# KiCad board 2000ATX.kicad_pcb (continued)
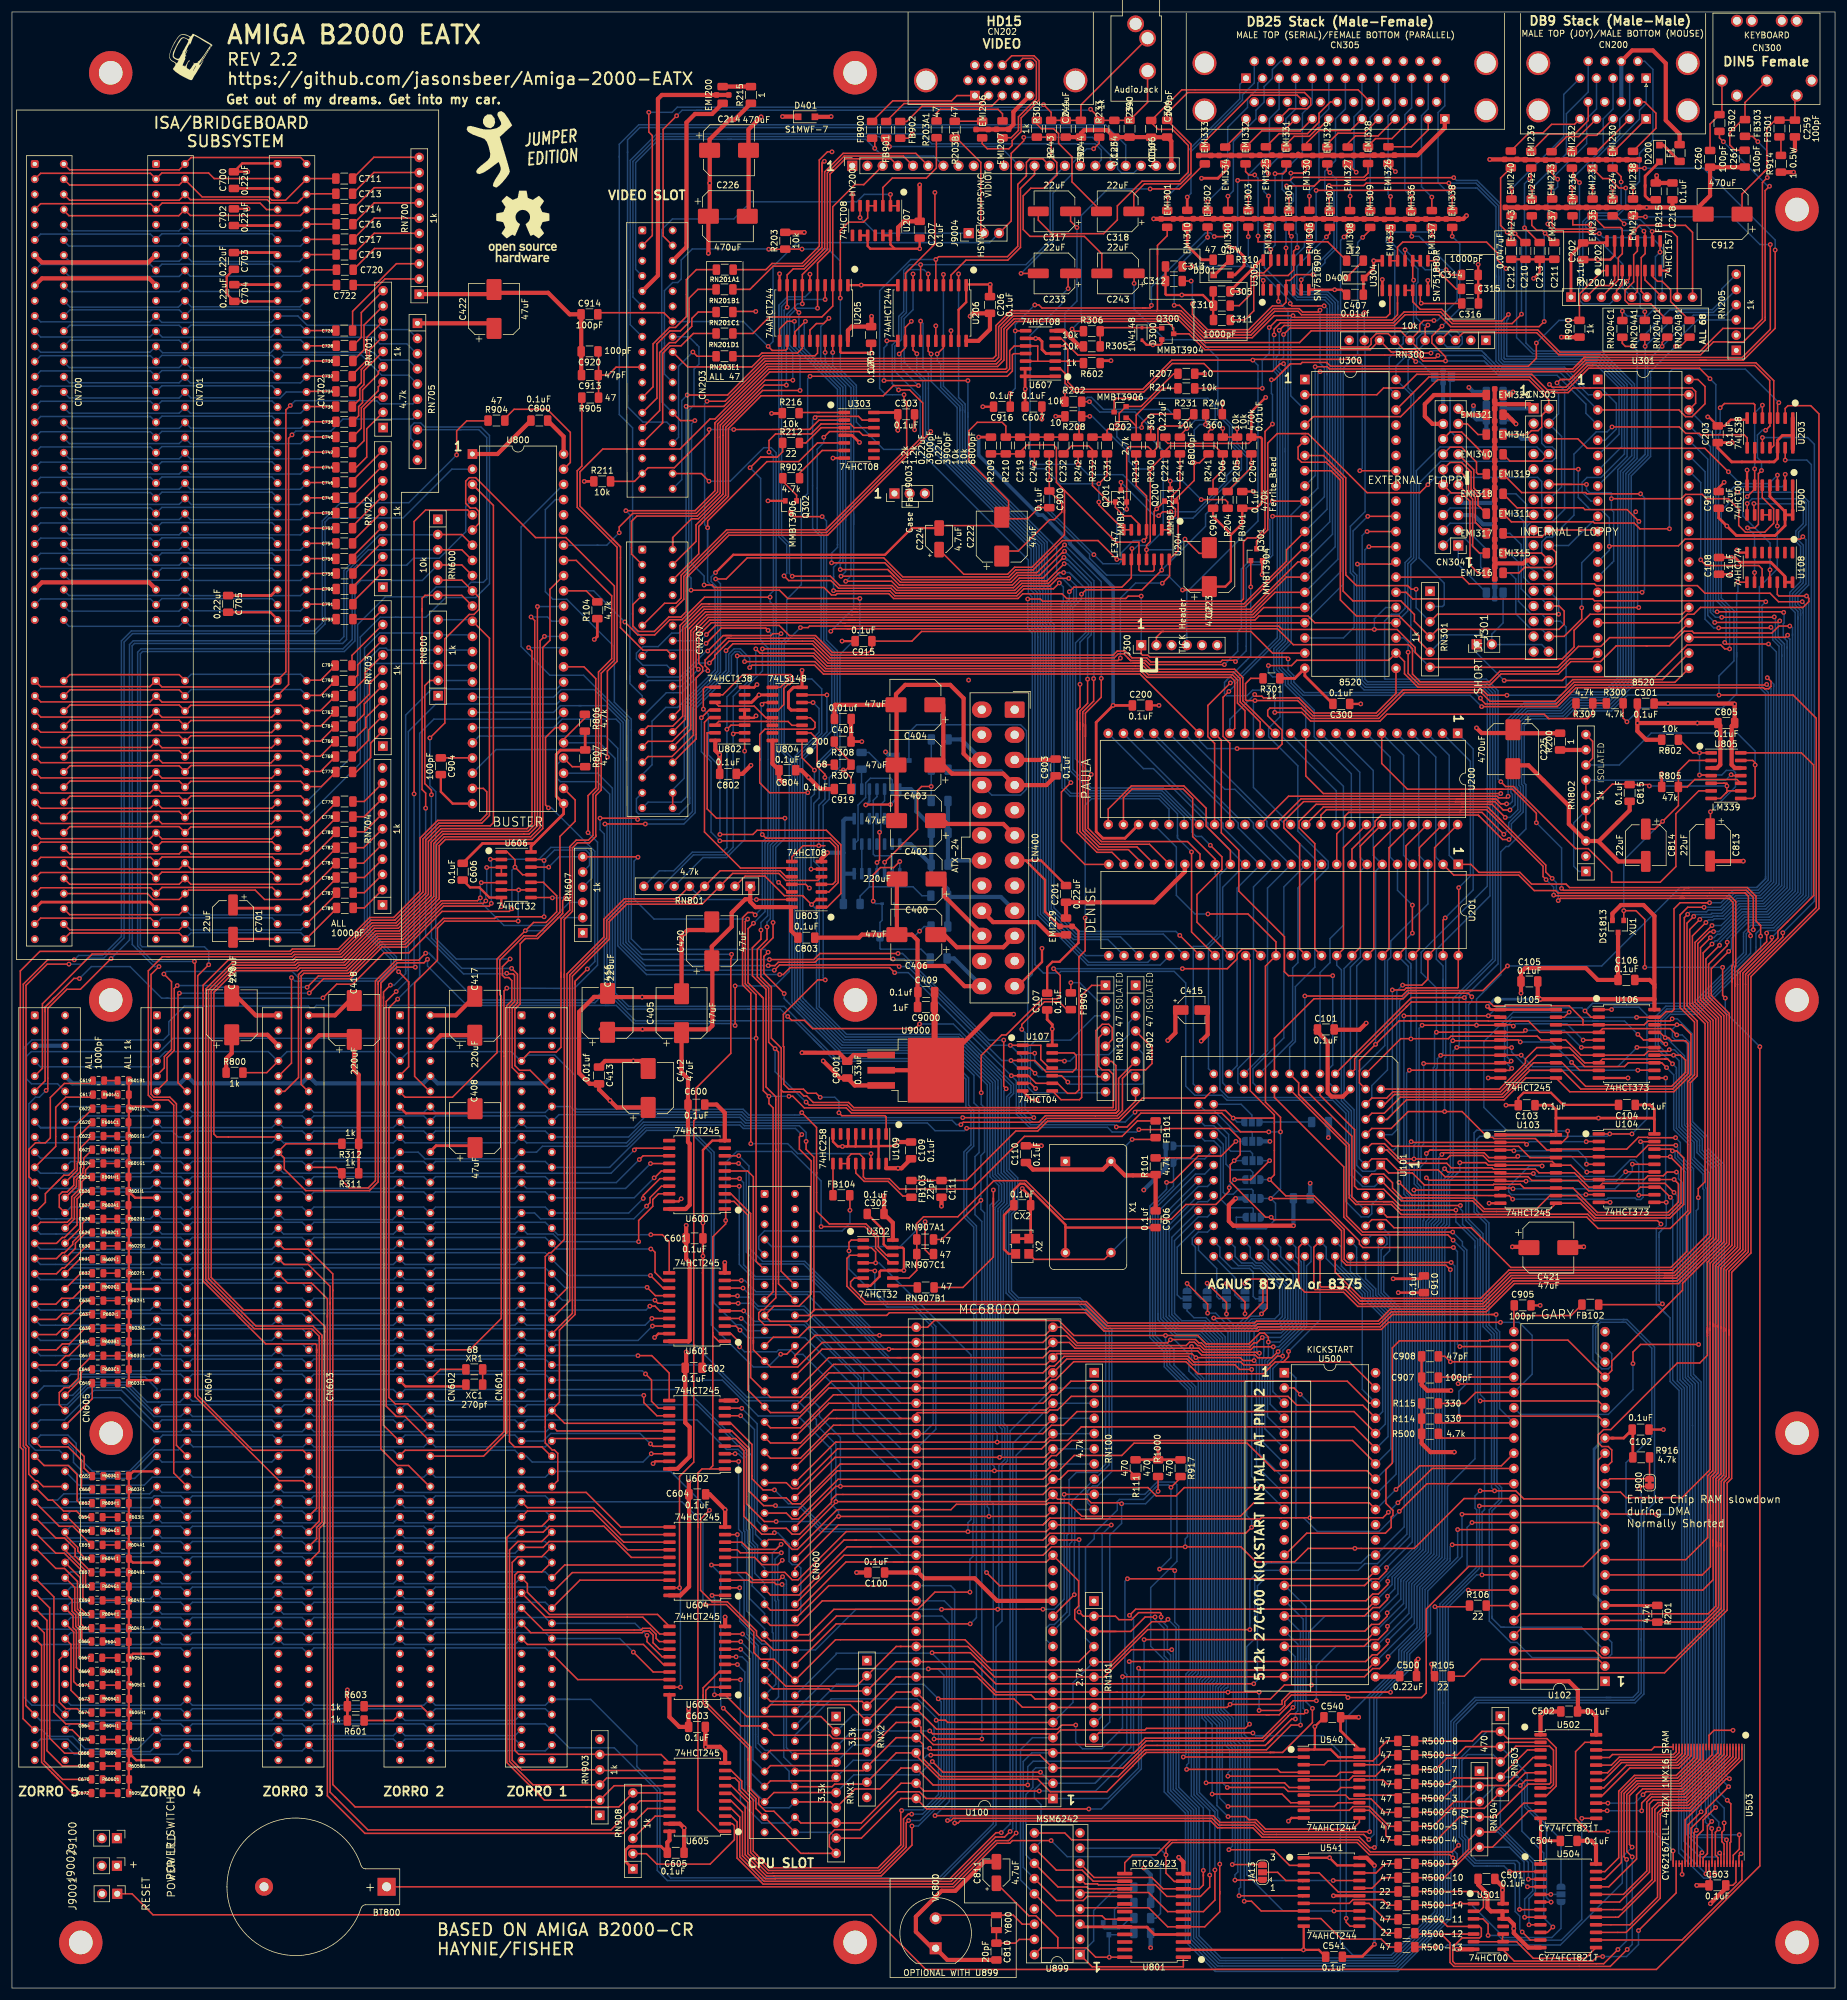
[diagram p0: board, top side]
## Routing (per net, layer and track width the routed paths; a pad name or vN(x,y) marks a point on that pad's centre or on a via; arc(x,y) is an arc through that point) (continued)
_BUDS: length 382
  Top w0.25: U605.12 98.4,36.35 RN903.4 85.21,36.47 83.63,38.05 83.63,71.11 84.59,72.07 88.58,72.07 90.14,73.63 ; 85.56,192.82 72.09,192.82 70.52,191.25 70.52,182.39 64.77,176.64 60.75,176.64 55.48,171.36 47.8,171.36 47.35,170.91 37.01,170.91 ; 85.56,192.82 85.71,192.82 ; 85.56,192.82 86.47,192.82 87.85,194.2 ; 87.85,194.62 v1(87.85,230.84) ; 87.85,194.62 87.85,194.2 ; 87.85,194.62 87.85,194.2 ; 36.98,170.88 37.01,170.91 ; 37.01,170.91 32.86,166.76 32.86,118.5 32.91,118.5 40.78,110.62 50.29,110.62 51.83,109.08 51.83,108.7 ; 51.83,108.7 51.83,77.87 50.93,76.97 50.93,75.06 49.5,73.63 ; 51.83,108.7 51.83,108.95 ; C662.2 12.62,67.12 12.3,67.44 12.3,69.74 8.89,73.15 CN605.72
  Bottom w0.25: 90.14,73.63 89.16,74.61 70.8,74.61 69.82,73.63 68.84,74.61 50.48,74.61 49.5,73.63 48.52,74.61 30.16,74.61 29.18,73.63 28.2,74.61 9.84,74.61 8.86,73.63 ; v1(87.85,230.84) 92.13,230.84 U800.38
_BUSRST: length 495.8
  Top w0.25: R603.2 68.43,47.09 69.82,45.69 ; 133.41,269.32 v1(133.43,269.32) 166.39,269.32 167.26,270.19 167.26,272.9 167.46,273.1 169.38,273.1 ; v1(120.91,167.45) v1(120.91,160.84)
  Bottom w0.25: 99.18,164.19 99.84,164.19 ; 99.18,164.19 101.04,164.19 104.05,161.18 120.35,161.16 120.67,160.84 v1(120.91,160.84) ; 99.18,164.19 50.89,164.19 50.51,163.82 49.82,163.82 49.55,164.08 28.83,164.08 26.23,161.48 26.23,159.32 25.34,158.43 3.34,158.43 1.96,157.06 1.96,48.63 3.34,47.25 7.33,47.25 CN605.94 ; 90.14,45.69 89.16,46.67 70.8,46.67 69.82,45.69 68.84,46.67 50.48,46.67 49.5,45.69 48.52,46.67 30.16,46.67 29.18,45.69 28.2,46.67 9.84,46.67 8.86,45.69 ; v1(120.91,167.45) 127.53,167.45 129.96,169.88 129.96,205.31 128.66,206.61 128.66,224.83 129.54,225.7 129.54,232.05 131.97,234.49 131.97,245.41 131.97,248.66 133.03,249.73 133.03,268.92 v1(133.43,269.32)
_C2: length 5.3
  Top w0.25: C904.1 76.96,205.57 U800.21
_C4: length 15.7
  Top w0.25: R905.1 98.07,273.38 C920.1 ; C913.1 99.67,269.52 101,270.85 CN203.19
_CASL: length 118.2
  Top w0.25: v1(206.15,112.67) 206.15,114.66 v1(203.06,117.74) ; v1(205.16,15.42) U541.6 215.8,15.24
  Bottom w0.25: JA9.3 v1(206.15,112.67) 206.15,112.07 204.64,110.57 204.64,41.48 205.41,40.72 205.41,16.84 205.16,16.59 v1(205.16,15.42) ; JA10.1 v1(203.06,117.74)
_CASU: length 124.3
  Top w0.25: 215.95,12.85 U541.8 208.86,12.88 207.24,14.5 v1(206.02,14.5) ; v1(208.91,112.65) 209.87,113.61 209.87,118.1 209.5,118.47 206.87,118.47 v1(206.15,117.75)
  Bottom w0.25: JA9.1 v1(206.15,117.75) ; v1(206.02,14.5) 206.02,40.87 205.09,41.79 205.09,110.32 207.05,112.27 208.53,112.27 v1(208.91,112.65) 209.15,112.88 JA8.3
_CBG: length 245.5
  Top w0.25: R806.1 95.78,212.2 92.23,208.65 U800.29 ; v1(160.21,60.85) 137.8,60.85 CN600.64
  Bottom w0.25: 161.25,85.61 161.25,85.66 ; 161.25,85.61 161.25,127.35 159.61,128.99 159.61,139.51 160.79,140.7 160.79,146.68 159.94,147.53 159.94,152.08 156.7,155.31 137.83,155.31 129.11,164.03 103.11,164.03 100.83,166.31 100.83,205.48 98.23,208.08 U800.29 ; 161.25,85.61 161.25,61.89 v1(160.21,60.85)
_CBR: length 238.9
  Top w0.25: R807.1 93.68,204.09 U800.28 ; CN600.60 133.18,59.04 134.45,60.31 ; 160.11,66.11 v1(160.16,66.16) 154.31,66.16 151.43,63.28 137.42,63.28 134.45,60.31 ; 134.45,60.31 134.18,60.04
  Bottom w0.25: 135.3,157.2 137.64,154.86 156.49,154.86 159.49,151.87 159.49,147.35 160.34,146.49 160.34,140.88 159.16,139.7 159.16,128.81 160.8,127.17 160.8,77.74 160.67,77.61 160.67,72.15 160.16,71.64 v1(160.16,66.16) ; 135.3,157.2 130.87,161.63 104.24,161.63 99.93,165.93 99.93,199.51 97.86,201.58 91.69,201.58 91.1,202.17 91.1,204.41 U800.28 ; 135.3,157.2 134.01,158.5
_CDAC: length 308.2
  Top w0.25: U201.34 207.03,171.73 207.03,149.93 211.06,145.9 211.06,145.3 ; v1(204.18,145.36) 211,145.36 211.06,145.3 ; v1(204.18,145.36) 204.23,145.36 ; v1(204.18,145.36) 202.9,146.64 188.04,146.64 v1(187.77,146.37) ; v1(147.32,171.96) 134.8,171.96 134.25,171.41 128.12,171.41 127.55,170.84 v1(126.44,170.84) ; v1(241,123.75) 225.85,123.75 225.28,124.32 225.28,124.84 217.74,132.37 212.97,132.37 v1(210.25,135.09) 211.06,135.89 211.06,145.3 ; 173.92,153.72 173.43,153.72 172.01,155.14 172.01,157.53 U107.1 v1(166.93,157.53) ; v1(242.06,107.19) 251.05,107.19 U102.26
  Bottom w0.25: 94.81,214.28 99.38,214.28 102.18,211.48 102.18,174.54 105.88,170.84 v1(126.44,170.84) ; 94.81,214.28 91.69,214.28 90.56,213.16 U800.18 ; 94.81,214.28 95.17,214.28 ; JA1.1 204.82,144.72 v1(204.18,145.36) ; v1(242.06,107.19) 241.66,107.59 241.66,123.08 v1(241,123.75) ; JA4.3 v1(210.25,135.09) ; v1(187.77,146.37) 186.12,144.72 170.49,144.72 168.81,146.39 168.81,155.65 v1(166.93,157.53) 163.58,157.53 149.7,171.41 149.7,171.43 149.17,171.96 v1(147.32,171.96)
_CIPL0: length 145.7
  Top w0.25: v1(122.49,206.69) U802.1 ; 187.42,221.37 189.35,221.37 ; 187.42,221.37 189.35,221.37 ; 187.42,221.37 136.42,221.37 134.02,223.77 v1(125.48,223.77) ; 189.35,221.37 190.36,220.36 204.41,220.36 205.79,218.98 205.79,215.09 U200.13
  Bottom w0.25: v1(125.48,223.77) 125.48,220.09 122.49,217.11 v1(122.49,206.69) 122.49,191.91 119.48,188.9 115.53,188.9 RN801.6
_CIPL1: length 145.4
  Top w0.25: 120.57,209.55 v1(120.59,209.56) 120.78,209.75 U802.2 ; U200.14 208.69,211.56 205.34,214.9 205.34,218.8 204.22,219.91 190.17,219.91 189.17,220.92 187.8,220.92 136.23,220.92 134.1,223.05 125.08,223.05 v1(124.36,223.77)
  Bottom w0.25: 120.57,209.55 120.57,190.63 119.3,189.35 113.94,189.35 108.69,184.1 RN801.7 ; v1(120.59,209.56) 120.59,215.84 124.36,219.61 v1(124.36,223.77)
_CIPL2: length 147.3
  Top w0.25: U200.15 206.15,213.46 204.89,214.71 204.89,218.61 204.04,219.46 189.99,219.46 188.98,220.47 187.4,220.47 136.05,220.47 133.92,222.6 v1(121.26,222.6) ; 122.46,211.02 120.22,211.02 v1(119.53,210.34)
  Bottom w0.25: v1(121.26,222.6) 121.26,217.5 119.53,215.77 v1(119.53,210.34) 119.53,190.56 118.77,189.8 113.75,189.8 110.64,186.69 108.24,186.69 RN801.8
_CLKRD: length 207
  Top w0.25: 240.91,21.75 v1(240.9,21.76) 240.37,22.29 226.93,22.29 224.91,24.31 193.98,24.31 192.94,23.27 v1(192.94,22.25) 192.94,19.2 194.33,17.81 195.35,17.81
  Bottom w0.25: U899.8 191.82,23.37 v1(192.94,22.25) ; 264.77,110.4 264.89,110.52 ; 264.77,110.4 264.77,106.17 U102.22 ; 264.77,110.4 264.89,110.52 ; 264.89,110.52 265.62,111.25 269.19,111.25 ; 266.54,48.55 244.58,48.55 240.58,44.55 240.58,22.82 240.9,22.5 v1(240.9,21.76) ; 266.54,48.55 267.32,48.55 ; 266.54,48.55 270.99,48.55 271.94,49.5 271.94,77.17 269.85,79.26 269.85,87.78 274.17,92.1 274.17,106.92 269.84,111.25 269.19,111.25 ; 269.19,111.25 269.46,111.25
_CLKWR: length 223.4
  Top w0.25: 194.69,24.76 193.8,24.76 191.28,22.24 187.34,22.24 186.05,20.95 U801.13 ; 194.69,24.76 177.17,24.76 176.02,25.91 U899.10 ; 194.69,24.76 225.1,24.76 227.11,22.74 240.76,22.74 v1(241.86,23.85)
  Bottom w0.25: 269.39,111.7 269.65,111.7 ; 269.39,111.7 270.02,111.7 274.62,107.11 274.62,81.12 272.84,79.34 272.84,49.12 271.37,47.65 245,47.65 241.48,44.13 241.48,24.79 241.86,24.41 v1(241.86,23.85) ; 269.39,111.7 265.43,111.7 264.32,110.59 264.32,104.96 265.8,103.47 266.88,103.47 267.47,104.06 267.47,106.01 U102.23
_COPCFG: length 241.7
  Top w0.25: v1(89.74,187.3) U606.12 87.75,187.3 ; RN607.6 104.6,189.03 v1(104.66,188.97) ; v1(123,178.62) 122.6,178.22 122.6,167.81 124.4,166 124.4,121.43 CN600.11
  Bottom w0.25: 104.68,188.99 v1(104.66,188.97) 104,188.31 104,181.98 107.35,178.62 v1(123,178.62) ; v1(124.41,158.7) 26.93,158.7 24.7,156.47 3.22,156.47 2.41,155.67 2.41,151.94 3.26,151.09 7.63,151.09 CN605.12 ; v1(89.74,187.3) 91.47,189.03 RN607.6
_CSYNC: length 241.1
  Top w0.25: U201.32 197.21,176.47 197.21,190 ; v1(131.57,279.97) 130.87,280.67 U205.8 ; v1(137.36,233.5) 137.41,233.45 146.78,233.45 147.59,232.64 168.02,232.64 169.18,233.81 174.12,233.81 v1(175.11,234.8)
  Bottom w0.25: 137.36,235.89 137.36,237.43 138.47,238.54 138.47,267.32 131.57,274.22 v1(131.57,279.97) ; 137.36,235.89 v1(137.36,233.5) ; 137.36,235.89 137.36,234.39 ; 194.86,192.64 194.86,196.22 191.91,199.18 176.89,199.18 175.57,200.51 175.57,231.41 175.78,231.63 175.78,234.12 v1(175.11,234.8) ; 194.86,192.64 194.86,192.34 ; 194.86,192.64 194.86,192.18 v1(197.21,189.84) ; U201.32 201.95,171.73 201.95,150.19 203.34,148.8 221.06,148.8 223.48,146.38 223.48,132.73 U101.80
_CUTOFF: length 49.5
  Top w0.25: v1(210.21,277.47) 211.45,278.71 230.76,278.71 231.65,279.6 231.65,281.58 ; R214.1 v1(209.04,267.31) ; 231.65,281.58 U304.3 ; 231.65,281.58 231.65,280.39
  Bottom w0.25: v1(209.04,267.31) 209.04,271.98 210.21,273.15 v1(210.21,277.47)
_D2P: length 336.7
  Top w0.25: U604.1 v1(117.04,65.61) ; v1(117.45,49) U603.1 122.87,45.36 135.26,45.36 RNX1.2 ; v1(154.17,41.61) v1(162.15,41.61) ; v1(126.42,173.09) 125.72,172.38 125.72,169.56 v1(129.11,166.17)
  Bottom w0.25: v1(117.45,49) 117.45,65.2 v1(117.04,65.61) ; U800.45 90.86,248.72 89.18,247.04 89.18,233.32 90.44,232.06 92.77,232.06 100.71,224.12 100.71,214.86 103.55,212.03 103.55,210.25 ; 129.6,164.85 129.11,165.34 v1(129.11,166.17) ; 129.6,164.85 131.63,162.82 ; 129.6,164.85 129.41,165.04 ; 131.63,162.82 131.2,163.25 ; 131.63,162.82 138.24,156.21 157.14,156.21 160.84,152.51 160.84,147.9 161.69,147.05 161.69,139.61 161.01,138.93 161.01,129.24 162.15,128.09 v1(162.15,41.61) ; 103.55,210.25 103.55,175.32 105.31,173.56 125.95,173.56 v1(126.42,173.09) ; 103.55,210.25 103.55,210.11 ; v1(154.17,41.61) 154.17,43.67 152.16,45.68 140.65,45.68 RNX1.2 ; 162.15,52.58 162.15,52.32
_DBOE: length 237.8
  Top w0.25: U603.19 v1(111.76,50.27) ; U604.19 v1(111.61,66.88) 111.61,85.49 113.99,87.87 113.99,144.91 114.37,145.29 114.37,150.37 120.18,156.18 120.18,172.02 120.3,172.14 v1(120.3,172.74)
  Bottom w0.25: v1(111.76,50.27) 111.76,66.73 v1(111.61,66.88) ; U800.46 85.12,244.14 85.12,224.17 89.93,219.36 95.58,219.36 103.1,211.84 103.1,174.9 105.26,172.74 v1(120.3,172.74)
_DBR: length 164.6
  Top w0.25: 234.79,166.68 233.31,166.68 232.39,165.76 v1(216.15,165.76) ; 234.79,166.68 233.89,166.68 ; 234.79,166.68 243.78,166.68 ; 243.78,166.68 245.93,166.68 v1(250.04,170.79) ; 243.78,166.68 244.16,166.68 ; v1(295.15,244.3) 295.15,246.14 U900.12
  Bottom w0.25: 287.78,183.9 291.74,183.9 293.19,185.34 293.19,185.7 ; 287.78,183.9 278.89,183.9 265.79,170.79 v1(250.04,170.79) ; 287.78,183.9 287.65,183.9 ; 292.16,224.53 292.16,217.33 293.19,216.3 293.19,185.7 ; 292.16,224.53 292.16,224.69 ; 292.16,224.53 292.16,234.14 295.15,237.13 v1(295.15,244.3) ; 293.19,185.7 293.19,185.39 291.74,183.94 ; U101.20 v1(216.15,165.76)
_DKRD: length 116.6
  Top w0.25: v1(249.94,216.03) 246.76,216.03 245.87,216.92 232.59,216.92 228.28,212.61 217.49,212.61 214.96,215.14 v1(207.82,215.14) 206.38,215.14 206.24,215.27 206.24,217.98 207.11,218.85 R301.2
  Bottom w0.25: v1(207.82,215.14) 207.56,214.88 207.56,200.62 U200.37 ; EMI323.1 250.35,239.78 251.87,238.25 251.87,231.72 254.03,229.57 255.76,229.57 CN303.30 258.88,228.4 259.84,227.43 259.84,216.86 259.01,216.03 v1(249.94,216.03)
_DKWD: length 211.6
  Top w0.25: 279.64,182.08 278.8,182.08 ; 279.64,182.08 258.89,182.08 v1(258.52,181.71) ; 279.64,182.08 287.06,182.08 287.75,181.39 287.75,170.97 287.58,170.8 287.58,168.1 ; 284.36,110.58 284.36,86.46 283.51,85.6 283.51,75.26 279.83,71.58 U102.9 ; 284.36,110.58 284.36,120.91 287.56,124.11 287.58,168.1 ; 284.36,110.58 284.36,111.1 ; U200.38 219.25,197.35 242.46,197.35 ; 242.46,197.35 246.72,197.35 248.48,195.59 ; 242.46,197.35 242.6,197.35 ; 248.48,195.59 256.43,187.64 256.43,186.49 v1(257.51,185.42) ; 248.48,195.59 249.31,194.77 ; 287.58,168.1 287.58,168.66
  Bottom w0.25: v1(258.52,181.71) 258.52,183.23 258.21,183.54 258.21,184.72 v1(257.51,185.42)
_DTACK: length 424.8
  Top w0.25: v1(237.91,63.72) 243.49,63.72 R106.1 ; 124.03,57.26 124.03,59.49 119.44,64.08 v1(115.93,64.08) ; 124.03,57.26 124.03,56.9 ; 124.03,57.26 124.03,56.07 125.16,54.94 127.39,54.94 CN600.66 137.69,58.2 159.34,58.2 163.01,54.53 U100.10 178.38,54.53 RN101.4 ; v1(193.77,83.66) 195.38,85.27 R917.2 ; v1(194.41,69.75) 194.16,70 v1(191.87,70)
  Bottom w0.25: 237.85,63.78 v1(237.91,63.72) 238.3,63.33 238.3,12.56 230.77,5.04 212.33,5.04 202.14,5.04 198.46,8.71 198.46,30.14 195.08,33.52 195.08,60.45 194.41,61.11 v1(194.41,69.75) ; CN605.66 10.77,81.25 11.42,81.91 23.44,81.91 23.76,82.23 28.2,82.23 29.18,81.25 30.16,82.23 48.52,82.23 49.5,81.25 50.48,82.23 68.84,82.23 69.82,81.25 70.8,82.23 89.16,82.23 90.14,81.25 112.01,81.25 115.53,77.74 115.53,64.48 v1(115.93,64.08) ; 191.13,83.59 189.19,81.65 185.17,81.65 184.8,81.27 184.8,79.87 180.95,76.02 180.95,75.08 179.48,73.62 179.48,58.46 RN101.4 ; 191.13,83.59 191.36,83.82 ; 191.13,83.59 191.6,84.06 193.37,84.06 v1(193.77,83.66) 193.77,71.9 v1(191.87,70)
_EBG1: length 238.1
  Top w0.25: 8.86,83.79 5.24,83.79 4.26,84.77 3.89,84.77 2.8,85.86 2.8,90.31 2.35,90.76 2.35,167.55 5.89,171.09 v1(9.53,171.09)
  Bottom w0.25: v1(9.53,171.09) 11.65,171.09 12.65,172.09 15.35,172.09 18.75,175.49 18.75,224.92 20.15,226.32 50.73,226.32 52.34,227.93 52.34,244.97 53.03,245.66 65.4,245.66 73.53,253.8 U800.2
_EBG2: length 223.5
  Top w0.25: 78.11,250.13 U800.3 80.49,247.75 80.49,194.72 79.98,194.21 71.55,194.21 69.16,191.82 69.16,182.94 64.21,177.99 60.19,177.99 54.92,172.71 47.25,172.71 46.86,172.33 26.28,172.33 ; 25.89,172.33 26.28,172.33 ; 26.28,172.33 25.14,172.33 22.8,169.99 22.8,149.18 23.57,148.4 26.16,148.4 27.05,147.52 27.05,86.06 CN604.64
_EBG3: length 234.1
  Top w0.25: 30.61,109.18 30.61,98.83 44.66,84.77 48.65,84.77 CN603.64 ; 30.61,109.18 30.61,108.86 ; 30.61,109.18 30.61,171.44
  Bottom w0.25: 65.97,237.75 57.65,237.75 56.88,236.98 56.88,225.32 55.34,223.78 21.57,223.78 21.01,223.22 21.01,174.11 23.58,171.54 v1(30.51,171.54) ; 65.97,237.75 67.14,238.92 71.45,238.92 75.86,243.34 75.86,247.59 U800.4 ; 65.97,237.75 66.27,238.05
_EBG4: length 181.4
  Top w0.25: 69.82,83.79 66.3,87.31 64.45,87.31 61.67,90.1 61.67,167.18 ; v1(67.23,199.54) 67.23,245.06 69.15,246.98 76.19,246.98 U800.5 ; 61.67,167.18 61.67,167.72 ; 61.67,167.18 61.67,167.92 64.33,170.59 v1(67.44,170.59)
  Bottom w0.25: v1(67.23,199.54) 67.23,170.79 v1(67.44,170.59)
_EBG5: length 201.6
  Top w0.25: 92.35,168.88 92.35,169.44 ; 92.35,168.88 92.35,125.06 90.16,122.87 89.8,122.87 89.16,122.24 89.16,91.07 90.32,89.92 90.68,89.92 91.25,89.35 91.25,84.77 CN601.64 ; 92.35,168.88 92.35,178.57 93.71,179.93 93.71,190.54 94.53,191.36 96.55,191.36 97.6,192.41 97.6,192.65 ; 97.6,192.65 97.6,192.45 ; 97.6,192.65 97.6,199.26 98.51,200.18 98.51,219.7 100.72,221.9 100.72,234.27 92.62,242.37 87.54,242.37 77.53,252.38 76.45,252.38 75.86,251.8 75.86,248.06 76.62,247.3 77.53,247.3 78.11,246.72 78.11,244.76 U800.6
_EBR1: length 221.6
  Top w0.25: RN600.2 75.21,242.87 U800.7 ; v1(16.56,172.01) 11.45,166.9 9.19,166.9 5.99,163.7 5.99,150.27 v1(5.72,149.99)
  Bottom w0.25: 71.2,243.59 70.44,242.83 61.46,242.83 55.5,236.87 55.5,225.82 54.81,225.13 20.28,225.13 19.65,224.5 19.65,175.12 v1(16.56,172.01) ; v1(5.72,149.99) 4.58,148.85 3.92,148.85 2.83,147.77 2.83,90.94 3.92,89.85 7.91,89.85 CN605.60
_EBR2: length 213.2
  Top w0.25: RN600.3 75.21,240.33 U800.8 ; CN604.60 27.5,90.69 27.5,147.76 26.41,148.85 23.76,148.85 23.25,149.36 23.25,169.37 v1(24.57,170.69)
  Bottom w0.25: v1(24.57,170.69) 23.8,170.69 20.12,174.37 20.12,175.4 20.1,224.29 20.49,224.68 55.28,224.68 55.95,225.34 55.95,236.68 59.6,240.33 RN600.3
_EBR3: length 226
  Top w0.25: RN600.4 75.21,237.79 U800.9 ; CN603.60 48.65,89.85 40.22,89.85 31.06,99.02 31.06,169.16 v1(32.89,170.99)
  Bottom w0.25: v1(32.89,170.99) 32.89,173.28 32.18,173.99 21.77,173.99 21.46,174.29 21.46,222.96 21.83,223.33 55.56,223.33 57.33,225.1 57.33,234.19 58.35,235.21 68.61,235.21 RN600.4
_EBR4: length 178.9
  Top w0.25: 69.82,88.87 78.84,88.87 82.73,92.76 82.73,150.88 82.73,164.16 83.57,165 83.57,168.35 83.08,168.85 82.38,168.85 82,169.22 82,170.67 v1(83.29,171.96) ; v1(69.88,208.89) 72.37,211.39 72.37,225.45 76.45,229.52 77.24,229.52 78.11,230.4 78.11,232.35 U800.10 75.21,235.25 RN600.5
  Bottom w0.25: v1(69.88,208.89) 69.88,200.89 70.85,199.91 70.85,175.37 74.27,171.96 v1(83.29,171.96)
_EBR5: length 170.3
  Top w0.25: 82.83,169.47 83.82,169.47 84.02,169.26 84.02,164.81 83.18,163.97 83.18,162.97 83.18,91.28 84.02,90.43 88.58,90.43 90.14,88.87 ; 68.57,230.09 68.57,200.27 69.16,199.67 v1(69.16,197.15) ; 68.57,230.09 68.57,230.48 ; 68.57,230.09 68.57,232.22 69.06,232.71 RN600.6 75.21,232.71 U800.11
  Bottom w0.25: v1(69.16,197.15) 69.16,175.79 75.49,169.47 82.83,169.47
  vias: v1(82.73,169.57)
_EC1: length 200
  Top w0.25: RN902.4 190.6,157.18 190.6,154.48 189.54,153.42 187.08,153.42 185.66,152.01 185.66,146.65 184.78,145.77 181.12,145.77 181.12,145.77 172.78,145.77 171.69,144.67 159.05,144.67 v1(158.65,144.27)
  Bottom w0.25: 90.14,144.75 89.16,145.73 70.8,145.73 69.82,144.75 68.84,145.73 50.48,145.73 49.5,144.75 48.52,145.73 30.16,145.73 29.18,144.75 28.2,145.73 11.88,145.73 10.9,144.75 CN605.16 ; CN601.16 91.46,145.94 121.88,145.94 122.83,144.99 157.18,144.99 157.9,144.27 v1(158.65,144.27)
_EC3: length 192.6
  Top w0.25: v1(158.95,145.44) v1(170.84,145.44) ; FB907.1 176.36,163.5 175.06,164.8 172.61,164.8 168.83,161.02 v1(168.83,160.2)
  Bottom w0.25: 168.81,160.22 v1(168.83,160.2) 169.37,159.66 169.37,146.91 v1(170.84,145.44) ; 90.14,147.29 89.16,146.31 70.8,146.31 69.82,147.29 68.84,146.31 50.48,146.31 49.5,147.29 48.52,146.31 30.16,146.31 29.18,147.29 28.2,146.31 23.1,146.31 22.12,147.29 CN605.14 ; v1(158.95,145.44) 123.02,145.44 122.06,146.39 94.27,146.39 93.37,147.29 CN601.14
_EINT1: length 388.8
  Top w0.25: 132.38,182.35 v1(133.68,181.05) 134.52,181.89 U803.2 ; 132.38,182.35 132.22,182.51 ; 132.38,182.35 132.2,182.53 129.15,182.53 125.88,185.8 122.59,185.8 RN801.2 ; CN605.96 10.06,43.15 11.68,41.53 C675.2
  Bottom w0.25: v1(133.68,181.05) 134.51,180.22 134.51,173.21 ; 158.26,158.91 139.36,158.91 134.51,163.76 134.51,173.21 ; 158.26,158.91 161.5,155.67 ; 158.26,158.91 161.5,155.67 ; 134.51,173.21 134.51,173.46 ; 161.5,155.67 161.52,155.67 ; 161.5,155.67 161.52,155.67 ; 161.52,155.67 165.4,151.79 165.4,136.22 166.8,134.82 166.8,130.92 165.75,129.87 165.75,94.45 166.43,93.77 166.43,88.1 165.53,87.19 165.53,61.34 164.52,60.32 164.52,27.28 155.2,17.96 109.58,17.96 107.88,19.65 107.88,32.96 100.7,40.14 93.16,40.14 89.16,44.13 70.8,44.13 69.82,43.15 68.84,44.13 50.48,44.13 49.5,43.15 48.52,44.13 30.16,44.13 29.18,43.15 28.2,44.13 9.84,44.13 8.86,43.15
_EINT4: length 197.1
  Top w0.25: U803.5 134.72,185.07 129.37,185.07 128.19,186.25 120.5,186.25 RN801.3 115.36,181.12 102.78,181.12 99.87,178.2 99.87,175.25 93.7,169.09 93.7,112.75 90.14,109.19
  Bottom w0.25: 8.86,109.19 9.84,110.17 28.2,110.17 29.18,109.19 30.16,110.17 48.52,110.17 49.5,109.19 50.48,110.17 68.84,110.17 69.82,109.19 70.8,110.17 89.16,110.17 90.14,109.19
_EINT5: length 189.9
  Top w0.25: 90.14,111.73 93.25,114.84 93.25,169.28 99.42,175.44 99.42,178.38 102.6,181.57 113.27,181.57 RN801.4 118.41,186.7 128.42,186.7 129.42,185.7 U803.10
  Bottom w0.25: 8.86,111.73 9.84,112.71 28.2,112.71 29.18,111.73 30.16,112.71 48.52,112.71 49.5,111.73 50.48,112.71 68.84,112.71 69.82,111.73 70.8,112.71 89.16,112.71 90.14,111.73
_EINT7: length 187.3
  Top w0.25: U803.13 v1(124.46,181.89) ; RN801.5 111.18,182.02 110.62,182.02 ; 110.62,182.02 102.39,182.02 98.96,178.59 98.96,175.62 92.8,169.46 92.8,116.93 90.14,114.27 ; 110.62,182.02 110.81,182.02
  Bottom w0.25: 8.86,114.27 9.84,115.25 28.2,115.25 29.18,114.27 30.16,115.25 48.52,115.25 49.5,114.27 50.48,115.25 68.84,115.25 69.82,114.27 70.8,115.25 89.16,115.25 90.14,114.27 ; RN801.5 115.48,181.89 v1(124.46,181.89)
_EXRAM: length 12.9
  Top w0.25: U102.32 239.19,91.9 R500.2
_FIR0: length 141.1
  Top w0.25: v1(293.98,291.34) 293.98,277.16 289.29,272.47 262.87,272.47 ; v1(273.1,295.96) 271.05,295.96 271.02,295.93 ; v1(217.88,270.92) 219.91,270.92 220.27,270.55 260.95,270.55 262.87,272.47 ; 261.31,270.92 262.87,272.47 ; 262.87,272.47 263.06,272.47
  Bottom w0.25: v1(293.98,291.34) 292.25,291.34 287.63,295.96 v1(273.1,295.96) ; U300.8 217.88,252.73 v1(217.88,270.92)
_FIR1: length 574.4
  Top w0.25: 186.56,222.28 185.89,222.95 184.97,222.95 184.29,222.27 136.79,222.27 133.99,225.07 132.16,225.07 119.89,225.07 117.51,222.69 117.51,222.31 v1(116.61,221.41) ; 186.56,222.28 186.92,221.92 ; 186.56,222.28 187.02,221.82 189.54,221.82 190.21,221.15 v1(202.7,221.15) ; EMI238.2 271.04,304.09 v1(272.95,304.09) ; 282.23,272.02 263.05,272.02 261.14,270.1 v1(218.69,270.1) ; 282.23,272.02 289.47,272.02 294.79,277.34 v1(294.79,290.42) ; 282.23,272.02 283.26,272.02 ; v1(293.47,218.95) 294.1,218.33 294.1,217.48 293.72,217.11 293.02,217.11 292.84,217.29 261.5,217.29 258.34,214.12 v1(245.72,214.12) ; U300.9 v1(210.72,248.46) ; v1(280.16,179.43) 279.6,178.87 279.6,163.76 281.76,161.6 281.76,152.41 280.61,151.27 280.61,129.66 280.02,129.07 280.02,123.08 277.36,120.41 250.6,120.41 243.96,127.04 231.07,127.04 229.72,128.39 227.35,128.39 U101.78
  Bottom w0.25: CN207.19 106.36,218.49 111.8,218.49 112.92,219.6 ; 286.26,180.6 285.8,180.14 ; 286.26,180.6 288.21,182.55 292.3,182.55 294.54,184.78 294.54,217.53 ; 286.26,180.6 285.8,180.14 ; 285.8,180.14 283.62,180.14 283.31,179.83 280.57,179.83 v1(280.16,179.43) ; v1(245.72,214.12) 243.83,216.02 215.89,216.02 213.87,218.04 213.87,219.12 212.32,220.67 212.32,223.23 213.87,224.78 213.87,246.18 U300.9 218.33,250.64 218.33,269.74 v1(218.69,270.1) ; 112.92,219.6 112.56,219.24 ; 112.92,219.6 114.73,221.41 v1(116.61,221.41) ; 294.54,217.53 294.54,217.89 v1(293.47,218.95) ; 294.54,217.53 294.54,217.74 ; v1(202.7,221.15) 204.93,223.37 204.93,226.62 205.54,227.24 205.54,237.12 206.72,238.3 209.01,238.3 209.65,238.94 209.65,238.96 210.32,239.63 210.32,245.31 210.04,245.58 210.04,247.79 v1(210.72,248.46) ; v1(294.79,290.42) 294.79,292.1 282.8,304.09 v1(272.95,304.09)
_GBG: length 315.1
  Top w0.25: 76.53,200.46 U800.23 78.82,200.46 79.38,199.89 79.38,196.15 78.34,195.11 71.18,195.11 68.26,192.19 68.26,183.33 63.83,178.89 59.82,178.89 54.56,173.63 46.89,173.63 46.49,173.23 4.7,173.23 ; 3.73,43.13 1.85,45.01 1.85,89.91 1.4,90.37 1.4,169.95 4.65,173.2
  Bottom w0.25: 85.06,43.15 84.08,42.17 65.72,42.17 64.74,43.15 63.76,42.17 45.4,42.17 44.42,43.15 43.44,42.17 25.08,42.17 24.1,43.15 ; CN605.95 4.99,43.15 6.1,42.04 10.15,42.04 12.24,39.95 21.03,39.95 CN604.95
_HLT: length 411.9
  Top w0.25: v1(191.11,62) 189.46,62 187.05,59.59 RN101.3 ; 148.93,71.19 147.34,71.19 ; 148.93,71.19 139.43,71.19 131.38,63.14 126.81,63.14 CN600.55 ; 148.93,71.19 172.92,71.19 U100.17 178.33,68.02 178.33,63.84 177.68,63.19 177.68,61.67 179.77,59.59 RN101.3 ; RN101.3 184.56,59.59 ; v1(243.48,66.5) U102.42
  Bottom w0.25: 86.04,94.93 85.06,93.95 84.08,94.93 65.72,94.93 64.74,93.95 63.76,94.93 45.4,94.93 44.42,93.95 43.44,94.93 25.08,94.93 24.1,93.95 24.1,94.41 ; 3.78,93.95 4.76,94.93 8.78,94.93 13.73,99.88 18.31,99.88 CN604.55 ; v1(243.48,66.5) 242.98,66.5 240.13,63.65 240.13,11.85 231.51,3.24 202.37,3.24 201.36,3.24 196.65,7.94 196.65,29.4 193.26,32.8 193.26,54.88 192.64,55.5 192.64,60.09 191.11,61.62 v1(191.11,62) ; CN600.55 125.83,65.12 123.75,67.2 123.75,73.59 122.97,74.37 122.97,76.42 122.79,76.6 122.79,88.6 121.38,90.01 119.46,90.01 114.54,94.93 86.17,94.93 CN601.55
_HSYNC: length 302.1
  Top w0.25: 138.49,282.32 v1(138.49,282.38) U205.2 138.49,293.69 139.89,295.08 142.37,295.08 143.07,295.78 U207.5 U207.4 ; v1(126.52,290.55) 129.26,290.55 R203.1 129.29,290.58 v1(132.08,290.58)
  Bottom w0.25: CN203.22 109.09,269.68 109.09,274.85 ; 109.09,274.85 109.09,274.94 ; 109.09,274.85 109.09,283.62 110.46,284.99 111.32,284.99 111.89,285.57 111.89,288.75 113.74,290.6 126.47,290.6 v1(126.52,290.55) ; v1(132.08,290.58) 136.46,290.58 138.49,288.54 v1(138.49,282.38) 138.49,270.48 141.17,267.8 141.17,261.67 145.74,257.1 151.44,257.1 169.93,238.62 169.93,233.08 170.55,232.45 170.55,227.09 171.04,226.59 171.04,171 172.44,169.61 175.08,169.61 175.36,169.88 194.3,169.88 196.24,167.94 196.24,150.71 197.77,149.18 202.32,149.18 203.15,148.35 220.84,148.35 223.03,146.16 223.03,131.4 225.57,128.86 226.81,128.86 227.35,129.4 227.35,130.93 U101.81
_INDEX: length 113.8
  Top w0.25: EMI340.1 250.43,255.16 255.76,255.16 CN303.8 ; RN301.6 258.41,220.7 261.9,224.19 265.64,224.19 267.11,225.65 277.88,225.65 U301.24
  Bottom w0.25: CN303.8 256.14,256.34 254.96,257.51 238.75,257.51 234.8,253.55 234.8,238.8 233.87,237.87 233.87,227.77 233.88,227.77 233.88,223.9 RN301.6
_INT2: length 474.3
  Top w0.25: R312.2 45.82,141.07 44.42,139.67 ; v1(69.47,171.91) 68.87,171.31 64.42,171.31 61.22,168.11 61.22,167.74 ; 61.22,167.74 61.22,167.9 ; 61.22,167.74 61.22,134.7 59.77,133.25 49.12,133.25 45.53,136.84 45.53,138.69 CN603.19 ; v1(105.89,194.51) v1(99.14,194.51) ; U200.16 204.43,210.48 204.43,218.43 203.85,219.01 189.8,219.01 188.79,220.02 135.86,220.02 134.24,221.64 v1(122.48,221.64) ; U300.21 231.39,216.36 228.09,213.06 217.68,213.06 215.15,215.59 209.24,215.59 208.96,215.86 208.06,215.86 v1(207.77,216.15)
  Bottom w0.25: 3.78,139.67 4.76,138.69 23.12,138.69 24.1,139.67 25.08,138.69 43.44,138.69 44.42,139.67 45.4,138.69 63.76,138.69 64.74,139.67 67.92,139.67 69.03,138.56 83.95,138.56 85.06,139.67 87.7,139.67 88.68,140.65 102.81,140.65 105.92,143.77 113.28,143.77 117.39,139.66 117.39,114.47 121.02,110.84 121.88,110.84 122.88,109.84 CN600.19 ; v1(69.47,171.91) 69.47,170.79 75.62,164.64 97.46,164.64 99.48,166.67 99.48,194.17 v1(99.14,194.51) ; 203.61,211.18 203.61,211.99 v1(207.77,216.15) ; 203.61,211.18 U200.16 ; 203.61,211.18 203.61,211.99 ; v1(105.89,194.51) 112.34,194.51 114.22,196.4 114.22,213.74 120.28,219.8 120.28,222.67 120.91,223.3 120.91,223.32 121.61,223.32 122.48,222.45 v1(122.48,221.64)